# KiCad board srvant.kicad_pcb (continued)
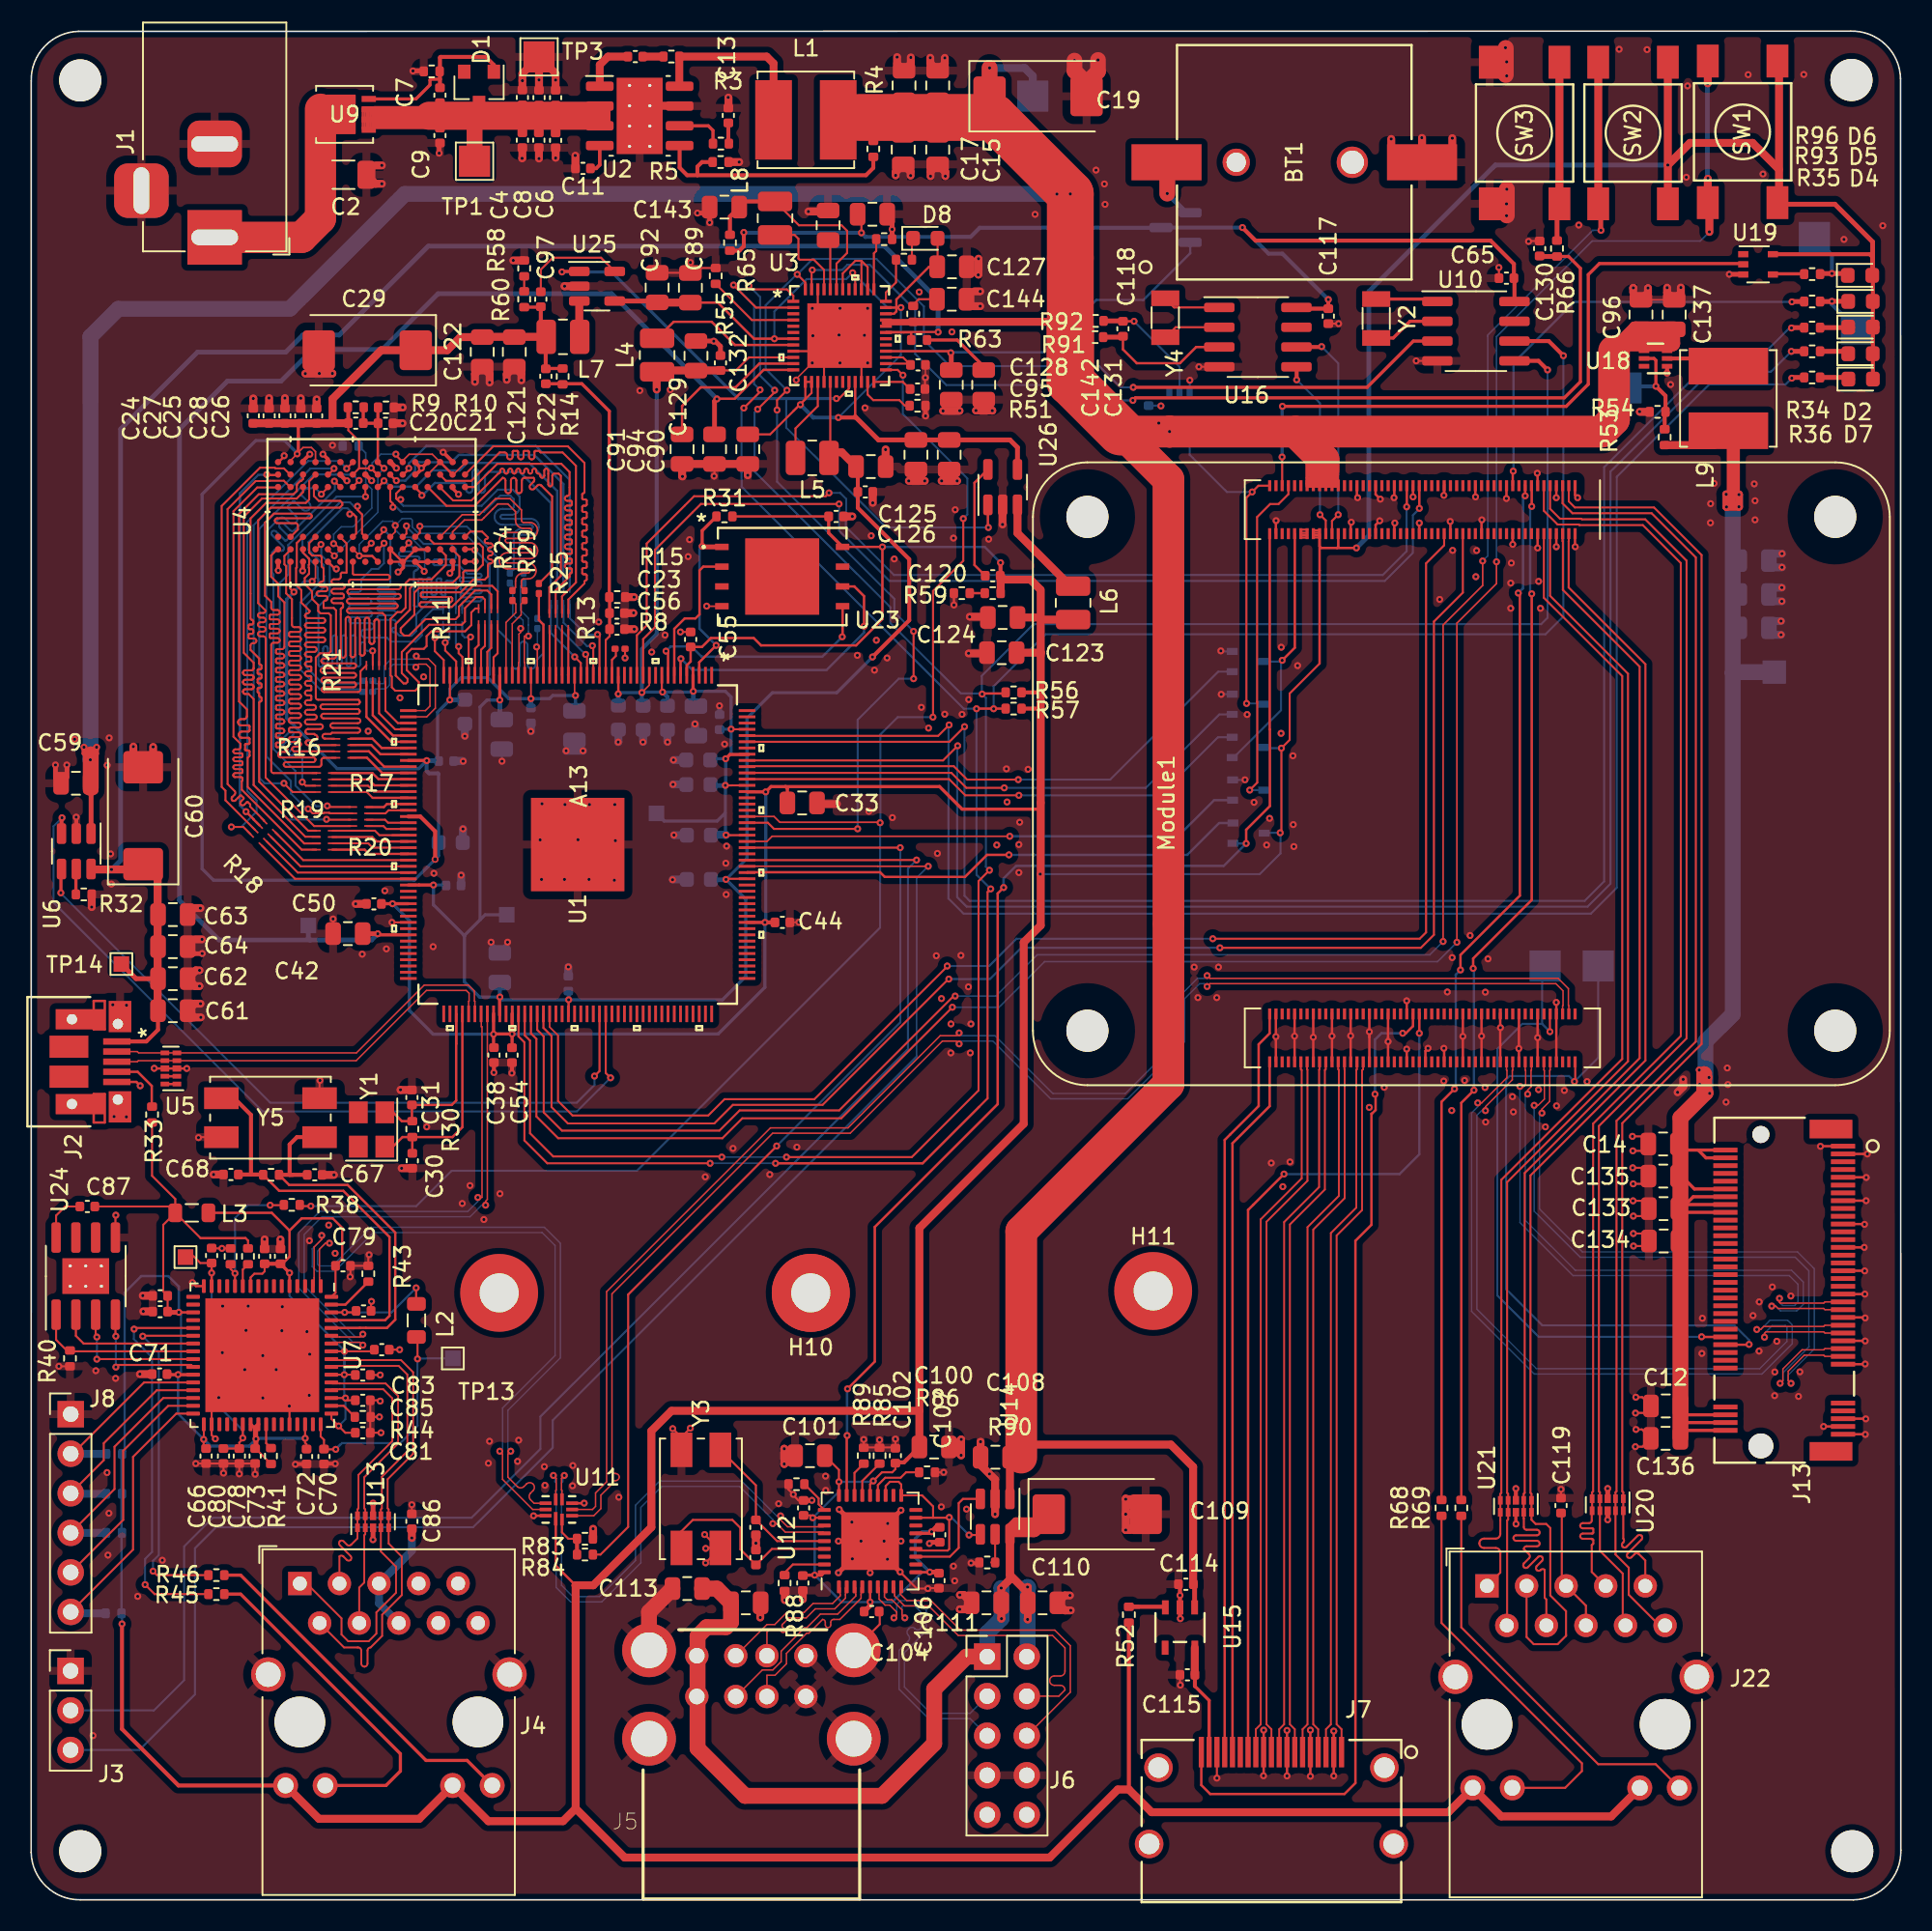
[diagram p0: board, top side]
## Placement (name value [footprint] x y rotation side) (continued)
U15  -  [BD2221G-LBTR]  73.74 17.49 270 top
U16  PCF85063AT/AAZ  [SOIC-8_3.9x4.9mm_P1.27mm]  78.74 100.36 0 top
U17  74LVC1G07SE-7  [SOT-353_SC-70-5]  73.71 95.78 270 bottom
U18  -  [TLV62585DRLR]  104.27 98.98 180 top
U19  74LVC1G07SE-7  [SOT-353_SC-70-5]  110.85 105.03 0 top
U20  TPD4EUSB30  [USON-10_2.5x1.0mm_P0.5mm]  101.19 25.37 270 top
U21  TPD4EUSB30  [USON-10_2.5x1.0mm_P0.5mm]  95.3 25.27 270 top
U23  S25FL256SAGNFI010  [ul_spi_flash_S25FL256SAGNFI010]  48.21 84.98 0 top
U24  93LCxxA  [SOIC-8-1EP_3.9x4.9mm_P1.27mm_EP2.29x3mm_ThermalVias]  3.51 40.06 90 top
U25  SY8008A  [TSOT-23-5]  36.32 103.62 0 top
U26  SY8008A  [TSOT-23-5]  62.36 90.72 90 top
Y1  24Mhz  [Crystal_SMD_3225-4Pin_3.2x2.5mm]  21.85 49.47 90 top
Y2  X32K768S301  [Crystal_SMD_3215-2Pin_3.2x1.5mm]  86.33 101.55 270 top
Y3  24MHz  [LFXTAL-25MHz]  42.99 25.75 90 top
Y4  X32K768S301  [Crystal_SMD_3215-2Pin_3.2x1.5mm]  72.8 101.6 270 top
Y5  25Mhz  [LFXTAL-25MHz]  15.36 50.23 180 top

## Library data of the parts
BT1 = -: Field9: *; Field10: Copyright 2016 Accelerated Designs. All rights reserved.; Field11: *
C1 C3-C6 C8 C9 C96 C137 = -: Field4: Digikey; Field5: 490-10505-1-ND; Field6: GRM21BC8YA106KE11L; Field7: Murata; Part Description: 10uF 10% or 20% 35V Ceramic Capacitor X6S 0805 (2012 Metric)
C2 = -: Field4: Farnell; Field5: 2611907; Field6: GRM155R62A104KE14D; Field7: Murata; Part Description: 0.1uF 10% 100V Ceramic Capacitor X5R 0402 (1005 Metric)
C7 C10 C11 C14 C58 C65 C86 C102-C107 C114-C119 C134 C136 = -: Field4: Farnell; Field5: 2611911; Field6: RM EMK105 B7104KV-F; Field7: TAIYO YUDEN EUROPE GMBH; Field8: 110091611; Part Description: 0.1uF 10% 16V Ceramic Capacitor X7R 0402 (1005 Metric)
C12 C15-C18 C59 C61-C64 C100 C101 C108 C110-C113 C133 C135 C138-C140 = -: Field4: Digikey; Field5: 490-14381-1-ND; Field6: GRM21BR71A106KA73L; Field7: Murata; Field8: 111893011; Part Description: 10uF 10% 10V Ceramic Capacitor X7R 0805 (2012 Metric)
C13 = -: Field4: Digikey; Field5: 490-16429-1-ND; Field6: GCM155R71H122KA37D; Field7: Murata; Part Description: 1200pF 10% 10V Ceramic Capacitor X5R 0402 (1005 Metric)
C19 C29 C60 C109 = -: Field4: Mouser; Field5: ECASD40J107M015K00; Part Description: Capacitor, SP-Cap, 100u, 6.3V, 15mR ESR
C98 C99 = -: Field4: Digikey; Field5: 490-17672-1-ND; Field6: GJM1555C1H270JB01D; Field7: Murata; Field8: UCAP00738; Part Description: 27pF 5% 50V Ceramic Capacitor C0G, NP0 0402 (1005 Metric)
D1 = -: Field4: Digikey; Field5: MMBZ5242BLT3GOSCT-ND; Field7: Onsemi; Part Description: Zener Diode 12V 225mW 5% Surface Mount SOT-23-3 (TO-236)
D2 D4 D5 D7 = -: Field4: Digikey; Field5: LTST-S270KGKT; Field6: SML-A12M8TT86N; Field7: Rohm; Field8: 650263301; Part Description: Green 572nm LED Indication - Discrete 2.2V 2-SMD, No Lead
D3 = -: Field4: Farnell; Field5: 2306010; Field7: Rohm; Part Description: Diode Array 1 Pair Common Cathode Schottky 30V 200mA (DC) Surface Mount TO-236-3, SC-59, SOT-23-3
D6 = -: Field4: Digikey; Field5: LTST-S270KRKT; Field6: SML-A12U8TT86Q; Field7: Rohm; Field8: 650295101; Part Description: Red 620nm LED Indication - Discrete 2.2V 2-SMD, No Lead
H1-H4 H9-H11 = -: Field4: nf; Field5: nf; Field6: nf; Field7: nf; Part Description: M2.5 mounting hole
J1 = -: Field4: Toby; Field5: DC-001-A-2.1mm-R; Field6: DC-001-A-2.1mm-R; Field7: Valcon; Part Description: DC Power Connectors PCB 2.1MM
J2 = -: Field4: Digikey; Field5: 609-4050-2-ND; Field6: 690-005-298-486; Field7: EDAC; Field8: UCON00686; Part Description: USB - micro B USB 2.0 Receptacle Connector 5 Position Surface Mount, Right Angle; Through Hole; Field10: Copyright 2016 Accelerated Designs. All rights reserved.
J5 = -: Field4: Farnell; Field5: 2751688; Field7: EDAC; Field8: UCON00727; Part Description: USB-A (USB TYPE-A), Stacked Receptacle Connector 8 Position Through Hole, Right Angle
J6 = -: Field4: Toby; Field5: THD-05-R; Field6: THD-05-R; Field7: Toby; Part Description: PinHeader_2x05_P2.54mm_Vertical
J7 = -: Field4: Farnell; Field5: 2614936; Field7: EDAC; Field8: UCON00802; Part Description: HDMI Connector, Right Angle, 19 Contacts, Receptacle, Surface Mount, Surface Mount Right Angle; Field10: *; Field11: Copyright 2016 Accelerated Designs. All rights reserved.; Field12: *
J13 = -: RS: https://uk.rs-online.com/web/p/edge-connectors/2175447/; Field5: *; Field6: Copyright 2016 Accelerated Designs. All rights reserved.; Field7: *
L1 L9 = -: Field4: Farnell; Field5: 2616889; Field7: Bourns; Part Description: 3.3µH Semi-Shielded Wirewound Inductor 7.8A 21mOhm Nonstandard
Module1 = -: Field4: Hirose; Field5: 2off DF40C-100DS-0.4V; Field6: 2off DF40C-100DS-0.4V; Field7: Hirose; Part Description: 100 Position Connector Receptacle, Center Strip Contacts Surface Mount Gold
R1 R4 R88 = -: Field4: Farnell; Field5: 9239367; Field6: MCR01MZPF1202; Field7: Rohm; Part Description: Resistor 12K M1005 1% 63mW
R2 = -: Field4: Farnell; Field5: 9238999; Field6: RC0402FR-0710RL; Field7: Yageo; Field8: URES00256; Part Description: Resistor 10R M1005 1% 63mW
R3 = -: Field4: Farnell; Field5: 2331485; Field6: RK73H1ETTP2002F; Field7: KOA EUROPE GMBH; Part Description: Resistor 20K M1005 1% 63mW
R5 R83 R84 = -: Field4: Farnell; Field5: 9239278; Field6: RK73G1ETQTP2201D; Field7: KOA EUROPE GMBH; Field8: 120889581; Part Description: Resistor 2.2K M1005 1% 63mW
R7 R11-R13 R16-R21 = -: Field4: *; Field5: Copyright 2016 Accelerated Designs. All rights reserved.
R31 R33-R36 R93 R96 = -: Field4: Farnell; Field5: 9239235; Field6: RK73H1ETTP1001F; Field7: KOA EUROPE GMBH; Field8: 125049511; Part Description: Resistor 1K M1005 1% 63mW
R32 R90 = -: Field4: Farnell; Field5: 9239375; Field6: MCR01MZPF1502; Field7: Rohm; Field8: 120891581; Part Description: Resistor 15K M1005 1% 63mW
R45 R46 R68 R69 = -: Field4: Farnell; Field5: 9239197; Field6: RK73G1ETQTP4700D; Field7: KOA EUROPE GMBH; Field8: 120887981; Part Description: Resistor 470R M1005 1% 63mW
R52 = -: Field4: Farnell; Field5: 1458807; Field6: MCR01MZPF5103; Field7: Rohm; Part Description: Resistor 100K M1005 1% 63mW
R53 = -: Field4: Farnell; Field5: 9239375; Field6: MCR01MZPF1502; Field7: Rohm; Field8: 120891581; Part Description: Resistor 100K M1005 1% 63mW
R54 = -: Field4: Farnell; Field5: 9239430; Field6: RK73G1ETQTP4702D; Field7: KOA EUROPE GMBH; Field8: 120892781; Part Description: Resistor 22K M1005 1% 63mW
R85-R87 R89 = -: Field4: Farnell; Field5: 1458788; Field6: MCR01MZPF3602; Field7: Rohm; Part Description: Resistor 36K M1005 1% 63mW
R91 R92 = -: Field4: Farnell; Field5: 1458807; Field6: MCR01MZPF5103; Field7: Rohm; Part Description: Resistor 510K M1005 1% 63mW
SW1 = -: Field4: *; Field5: *; Field6: 0.06in/1.524mm; Field7: 0.03in/0.762mm; Field8: 0.362in/9.195mm; Field9: 0.177in/4.496mm; Field10: Copyright 2016 Accelerated Designs. All rights reserved.; Field11: *; Field12: *
SW2 = -: Field4: *; Field5: *; Field6: 0.03in/0.762mm; Field7: 0.177in/4.496mm; Field8: 0.06in/1.524mm; Field9: 0.362in/9.195mm; Field10: Copyright 2016 Accelerated Designs. All rights reserved.; Field11: *; Field12: *
SW3 = -: Field4: *; Field5: *; Field6: 0.06in/1.524mm; Field7: 0.177in/4.496mm; Field8: 0.362in/9.195mm; Field9: 0.03in/0.762mm; Field10: Copyright 2016 Accelerated Designs. All rights reserved.; Field11: *; Field12: *
TP1-TP3 TP5-TP10 = -: Field4: nf; Field5: nf; Field6: nf; Field7: nf
U1 = -: Field4: *; Field5: 0.007in/0.178mm; Field6: 0.016in/0.4mm; Field7: 0.856in/21.742mm; Field8: 0.856in/21.742mm; Field9: 0.042in/1.067mm; Field10: 0.236in/5.994mm; Field11: 0.236in/5.994mm; Field12: Copyright 2016 Accelerated Designs. All rights reserved.; Field13: *; Field14: *
U2 = -: Field4: Digikey; Field5: 31-AP64501SP-13CT-ND; Field7: Diodes; Part Description: Buck Switching Regulator IC Positive Adjustable 0.8V 1 Output 5A 8-SOIC (0.154", 3.90mm Width) Exposed Pad
U3 = -: Field4: *; Field5: 0.008in/0.203mm; Field6: 0.163in/4.14mm; Field7: 0.163in/4.14mm; Field8: 0.016in/0.4mm; Field9: 0.234in/5.944mm; Field10: 0.03in/0.762mm; Field11: 0.234in/5.944mm; Field12: Copyright 2016 Accelerated Designs. All rights reserved.; Field13: *; Field14: *
U4 = -: Field4: A; Field5: T; Field6: 1; Field7: 9; Field8: 9; Field9: T; Field10: 1; Field11: *; Field12: A; Field13: 0.15in/3.81mm; Field14: 0.031in/0.8mm; Field15: 0.2in/5.08mm; Field16: 0.016in/0.406mm; Field17: Copyright 2016 Accelerated Designs. All rights reserved.; Field18: A; Field19: *; Field20: T; Field21: 9; Field22: 1
U5 U13 U20 U21 = -: Field4: Farnell; Field5: 2335455; Field6: CDDFN10-3324P-13; Field7: Bourns; Field8: UDIO00346; Part Description: Quad TVS diode for high speed signals (USB3, GigE etc.)
U6 U14 = -: Field4: Digikey; Field5: 31-AP22653W6-7CT-ND; Field7: Diodes; Part Description: Power Switch/Driver 1:1 P-Channel 2.1A SOT-23-6
U9 = -: Field4: *; Field5: 0.036in/0.914mm; Field6: 0.015in/0.381mm; Field7: 0.071in/1.803mm; Field8: 0.096in/2.438mm; Field9: 0.026in/0.66mm; Field10: 0.122in/3.099mm; Field11: Copyright 2021 Accelerated Designs. All rights reserved.; Field12: *
U10 U16 = -: Field4: Farnell; Field5: 2890042; Field7: NXP; Part Description: Real Time Clock (RTC) IC Clock/Calendar I²C, 2-Wire Serial 8-SOIC (0.154", 3.90mm Width)
U11 = -: Field4: Farnell; Field5: 2564479; Field7: Onsemi; Part Description: USB Switch IC 1 Channel 10-MSOP; Field9: *; Field10: *; Field11: 0.016in/0.4mm; Field12: 0.03in/0.762mm; Field13: 0.067in/1.702mm; Field14: 0.051in/1.295mm; Field15: 0.009in/0.229mm; Field16: Copyright 2016 Accelerated Designs. All rights reserved.; Field17: *; Field18: *
U12 = -: Field4: Farnell; Field5: 2775060; Field7: Microchip; Field8: UICC00931; Part Description: USB Hub Controller USB Interface 36-SQFN (6x6)
U15 = -: Field4: *; Field5: *; Field6: 0.102in/2.591mm; Field7: 0in/0mm; Field8: 0.017in/0.432mm; Field9: 0.036in/0.903mm; Field10: Copyright 2016 Accelerated Designs. All rights reserved.; Field11: *; Field12: *
U17 U19 = -: Field4: Farnell; Field5: 2425492; Field7: Diodes; Part Description: Buffer, Non-Inverting 1 Element 1 Bit per Element Open Drain Output SOT-353
U18 = -: Field4: Copyright 2016 Accelerated Designs. All rights reserved.
U23 = -: digikey: https://www.digikey.co.uk/product-detail/en/S25FL256SAGNFI010/428-3987-ND/4833769; mouser: https://www.mouser.co.uk/ProductDetail/Cypress-Spansion/S25FL256SAGNFI010?qs=vPP9GyyTAo3jUUHDsYsFIg%3D%3D; rs: https://uk.rs-online.com/web/p/flash-memory/1938774/; Field7: 0.05in/1.27mm; Field8: 0.187in/4.75mm; Field9: 0.016in/0.406mm; Field10: 0.193in/4.902mm; Field11: 0.034in/0.864mm; Field12: 0.305in/7.747mm; Field13: Copyright 2016 Accelerated Designs. All rights reserved.
Y1 = -: Field4: farnell; Field5: LFXTAL035266; Field6: Crystal, 24 MHz, SMD, 3.2mm x 2.5mm, 50 ppm, 16 pF, 50 ppm, CFPX-180 Series
Y2 Y4 = -: Field7: AEL; Part Description: Crystal 32.768KHz 7pF 20pmm
Y3 = -: Field4: *; Field5: *; Field6: 0.01in/0.254mm; Field7: -0.03in/-0.762mm; Field8: 0.05in/1.27mm; Field9: -0.03in/-0.762mm; Field10: 0.03in/0.762mm; Field11: Copyright 2021 Accelerated Designs. All rights reserved.; Field12: *
Y5 = -: Field4: *; Field5: *; Field6: -0.03in/-0.762mm; Field7: 0.05in/1.27mm; Field8: 0.01in/0.254mm; Field9: 0.03in/0.762mm; Field10: -0.03in/-0.762mm; Field11: Copyright 2021 Accelerated Designs. All rights reserved.; Field12: *; Field13: *

## Footprints (pads in the part's own frame, mm; a bottom-side part is the same pattern mirrored in y, then rotated)
1-2199230-5
  round 1.092 hole 1.092 unplated: (-19.25,2.275)
  round 1.6 hole 1.6 unplated: (0.75,2.275)
  rect 0.305x1.549 smd: 1(-18.5,7.55) 2(-18.25,0) 3(-18,7.55) 4(-17.75,0) 5(-17.5,7.55) 6(-17.25,0) 7(-17,7.55) 8(-16.75,0) 9(-16.5,7.55) 10(-16.25,0) 11(-16,7.55) 12(-15.75,0) 13(-15.5,7.55) 14(-15.25,0) 15(-15,7.55) 16(-14.75,0) 17(-14.5,7.55) 18(-14.25,0) 19(-14,7.55) 20(-13.75,0) 21(-13.5,7.55) 22(-13.25,0) 23(-13,7.55) 24(-12.75,0) 25(-12.5,7.55) 26(-12.25,0) 27(-12,7.55) 28(-11.75,0) 29(-11.5,7.55) 30(-11.25,0) 31(-11,7.55) 32(-10.75,0) 33(-10.5,7.55) 34(-10.25,0) 35(-10,7.55) 36(-9.75,0) 37(-9.5,7.55) 38(-9.25,0) 39(-9,7.55) 40(-8.75,0) 41(-8.5,7.55) 42(-8.25,0) 43(-8,7.55) 44(-7.75,0) 45(-7.5,7.55) 46(-7.25,0) 47(-7,7.55) 48(-6.75,0) 49(-6.5,7.55) 50(-6.25,0) 51(-6,7.55) 52(-5.75,0) 53(-5.5,7.55) 54(-5.25,0) 55(-5,7.55) 56(-4.75,0) 57(-4.5,7.55) 58(-4.25,0) 67(-2,7.55) 68(-1.75,0) 69(-1.5,7.55) 70(-1.25,0) 71(-1,7.55) 72(-0.75,0) 73(-0.5,7.55) 74(-0.25,0) 75(0,7.55)
  rect 1.194x2.743 smd: 76(-19.6,6.775) 77(1.1,6.775)
10029449-001RLF
  rect 0.33x1.956 smd: 1(4.5,4.43) 2(4,4.43) 3(3.5,4.43) 4(3,4.43) 5(2.5,4.43) 6(2,4.43) 7(1.5,4.43) 8(1,4.43) 9(0.5,4.43) 10(0,4.43) 11(-0.5,4.43) 12(-1,4.43) 13(-1.5,4.43) 14(-2,4.43) 15(-2.5,4.43) 16(-3,4.43) 17(-3.5,4.43) 18(-4,4.43) 19(-4.5,4.43)
  round 1.829 hole 1.321: 20(-7.25,3.43) 21(7.25,3.43) 22(-7.85,-1.47) 23(7.85,-1.47)
10103594-0001LF
  oval 0.729x1.219 hole 0.66 unplated: (-2.725,-0.076) (2.718,-0.076)
  oval 0.686x1.092 hole 0.66 unplated: (-2.425,2.872) (2.425,2.872)
  rect 0.406x1.753 smd: 1(-1.3,2.807) 2(-0.65,2.807) 3(0,2.807) 4(0.65,2.807) 5(1.3,2.807)
  rect 2.007x1.448 smd: 6(-2.9,3.012) 7(2.9,3.012)
  rect 1.422x2.489 smd: 8(-0.963,-0.268) 9(0.963,-0.268)
  rect 1.295x3.15 smd: 10(-2.725,0.457) 12(2.725,0.457)
A13
  rect 1.067x0.178 smd: 1(-10.871,8.6) 2(-10.871,8.2) 3(-10.871,7.8) 4(-10.871,7.4) 5(-10.871,7) 6(-10.871,6.6) 7(-10.871,6.2) 8(-10.871,5.8) 9(-10.871,5.4) 10(-10.871,5) 11(-10.871,4.6) 12(-10.871,4.2) 13(-10.871,3.8) 14(-10.871,3.4) 15(-10.871,3) 16(-10.871,2.6) 17(-10.871,2.2) 18(-10.871,1.8) 19(-10.871,1.4) 20(-10.871,1) 21(-10.871,0.6) 22(-10.871,0.2) 23(-10.871,-0.2) 24(-10.871,-0.6) 25(-10.871,-1) 26(-10.871,-1.4) 27(-10.871,-1.8) 28(-10.871,-2.2) 29(-10.871,-2.6) 30(-10.871,-3) 31(-10.871,-3.4) 32(-10.871,-3.8) 33(-10.871,-4.2) 34(-10.871,-4.6) 35(-10.871,-5) 36(-10.871,-5.4) 37(-10.871,-5.8) 38(-10.871,-6.2) 39(-10.871,-6.6) 40(-10.871,-7) 41(-10.871,-7.4) 42(-10.871,-7.8) 43(-10.871,-8.2) 44(-10.871,-8.6) 89(10.871,-8.6) 90(10.871,-8.2) 91(10.871,-7.8) 92(10.871,-7.4) 93(10.871,-7) 94(10.871,-6.6) 95(10.871,-6.2) 96(10.871,-5.8) 97(10.871,-5.4) 98(10.871,-5) 99(10.871,-4.6) 100(10.871,-4.2) 101(10.871,-3.8) 102(10.871,-3.4) 103(10.871,-3) 104(10.871,-2.6) 105(10.871,-2.2) 106(10.871,-1.8) 107(10.871,-1.4) 108(10.871,-1) 109(10.871,-0.6) 110(10.871,-0.2) 111(10.871,0.2) 112(10.871,0.6) 113(10.871,1) 114(10.871,1.4) 115(10.871,1.8) 116(10.871,2.2) 117(10.871,2.6) 118(10.871,3) 119(10.871,3.4) 120(10.871,3.8) 121(10.871,4.2) 122(10.871,4.6) 123(10.871,5) 124(10.871,5.4) 125(10.871,5.8) 126(10.871,6.2) 127(10.871,6.6) 128(10.871,7) 129(10.871,7.4) 130(10.871,7.8) 131(10.871,8.2) 132(10.871,8.6)
  rect 0.178x1.067 smd: 45(-8.6,-10.871) 46(-8.2,-10.871) 47(-7.8,-10.871) 48(-7.4,-10.871) 49(-7,-10.871) 50(-6.6,-10.871) 51(-6.2,-10.871) 52(-5.8,-10.871) 53(-5.4,-10.871) 54(-5,-10.871) 55(-4.6,-10.871) 56(-4.2,-10.871) 57(-3.8,-10.871) 58(-3.4,-10.871) 59(-3,-10.871) 60(-2.6,-10.871) 61(-2.2,-10.871) 62(-1.8,-10.871) 63(-1.4,-10.871) 64(-1,-10.871) 65(-0.6,-10.871) 66(-0.2,-10.871) 67(0.2,-10.871) 68(0.6,-10.871) 69(1,-10.871) 70(1.4,-10.871) 71(1.8,-10.871) 72(2.2,-10.871) 73(2.6,-10.871) 74(3,-10.871) 75(3.4,-10.871) 76(3.8,-10.871) 77(4.2,-10.871) 78(4.6,-10.871) 79(5,-10.871) 80(5.4,-10.871) 81(5.8,-10.871) 82(6.2,-10.871) 83(6.6,-10.871) 84(7,-10.871) 85(7.4,-10.871) 86(7.8,-10.871) 87(8.2,-10.871) 88(8.6,-10.871) 133(8.6,10.871) 134(8.2,10.871) 135(7.8,10.871) 136(7.4,10.871) 137(7,10.871) 138(6.6,10.871) 139(6.2,10.871) 140(5.8,10.871) 141(5.4,10.871) 142(5,10.871) 143(4.6,10.871) 144(4.2,10.871) 145(3.8,10.871) 146(3.4,10.871) 147(3,10.871) 148(2.6,10.871) 149(2.2,10.871) 150(1.8,10.871) 151(1.4,10.871) 152(1,10.871) 153(0.6,10.871) 154(0.2,10.871) 155(-0.2,10.871) 156(-0.6,10.871) 157(-1,10.871) 158(-1.4,10.871) 159(-1.8,10.871) 160(-2.2,10.871) 161(-2.6,10.871) 162(-3,10.871) 163(-3.4,10.871) 164(-3.8,10.871) 165(-4.2,10.871) 166(-4.6,10.871) 167(-5,10.871) 168(-5.4,10.871) 169(-5.8,10.871) 170(-6.2,10.871) 171(-6.6,10.871) 172(-7,10.871) 173(-7.4,10.871) 174(-7.8,10.871) 175(-8.2,10.871) 176(-8.6,10.871)
  rect 5.994x5.994 smd: 177(0,0)
AXP209
  rect 0.762x0.203 smd: 1(-2.972,2.2) 2(-2.972,1.8) 3(-2.972,1.4) 4(-2.972,1) 5(-2.972,0.6) 6(-2.972,0.2) 7(-2.972,-0.2) 8(-2.972,-0.6) 9(-2.972,-1) 10(-2.972,-1.4) 11(-2.972,-1.8) 12(-2.972,-2.2) 25(2.972,-2.2) 26(2.972,-1.8) 27(2.972,-1.4) 28(2.972,-1) 29(2.972,-0.6) 30(2.972,-0.2) 31(2.972,0.2) 32(2.972,0.6) 33(2.972,1) 34(2.972,1.4) 35(2.972,1.8) 36(2.972,2.2)
  rect 0.203x0.762 smd: 13(-2.2,-2.972) 14(-1.8,-2.972) 15(-1.4,-2.972) 16(-1,-2.972) 17(-0.6,-2.972) 18(-0.2,-2.972) 19(0.2,-2.972) 20(0.6,-2.972) 21(1,-2.972) 22(1.4,-2.972) 23(1.8,-2.972) 24(2.2,-2.972) 37(2.2,2.972) 38(1.8,2.972) 39(1.4,2.972) 40(1,2.972) 41(0.6,2.972) 42(0.2,2.972) 43(-0.2,2.972) 44(-0.6,2.972) 45(-1,2.972) 46(-1.4,2.972) 47(-1.8,2.972) 48(-2.2,2.972)
  rect 4.14x4.14 smd: 49(0,0)
BarrelJack_Horizontal
  rect 3.5x3.5 hole 1x3: 1(0,0)
  rrect 3x3.5 hole 1x3: 2(-6,0)
  rrect 3.5x3.5 hole 3x1: 3(-3,-4.7)
battery-S8411-45R
  rect 2.311x4.496 smd: 1(0,8.2) 2(0,-8.2)
  round 1.753 hole 1.245: 3(0,3.725)
  round 2.007 hole 1.499: 4(0,-3.725)
BD2221G-LBTR
  rect 0.903x0.432 smd: 1(-1.295,0.94) 2(-1.295,0) 3(-1.295,-0.94) 4(1.295,-0.953) 5(1.295,0.953)
bsz086p03ns
  rect 0.914x0.381 smd: 1(-1.549,0.991) 2(-1.549,0.33) 3(-1.549,-0.33) 4(-1.549,-0.991) 5(1.549,-0.991) 6(1.549,-0.33) 7(1.549,0.33) 8(1.549,0.991)
button-1571563-4
  rect 2.108x1.397 smd: 1(-4.547,2.235) 2(4.547,2.235) 3(-4.547,-2.235) 4(4.547,-2.235)
C_0402_1005Metric
  rrect 0.56x0.62 smd: 1(-0.48,0) 2(0.48,0)
C_0603_1608Metric
  rrect 0.9x0.95 smd: 1(-0.775,0) 2(0.775,0)
C_0805_2012Metric
  rrect 1x1.45 smd: 1(-0.95,0) 2(0.95,0)
C_1206_3216Metric
  rrect 1.15x1.8 smd: 1(-1.475,0) 2(1.475,0)
CP_EIA-7343-31_Kemet-D
  rrect 2.075x2.55 smd: 1(-3.112,0) 2(3.112,0)
Crystal_SMD_3215-2Pin_3.2x1.5mm
  rect 1x1.8 smd: 1(1.25,0) 2(-1.25,0)
Crystal_SMD_3225-4Pin_3.2x2.5mm
  rect 1.4x1.2 smd: 1(-1.1,-0.85) 2(1.1,-0.85) 3(1.1,0.85) 4(-1.1,0.85)
D_SOT-23_ANK
  rect 0.9x0.8 smd: (-1,-0.95) 1(1,0) 2(-1,0.95)
FSUSB42UMX
  rect 0.229x0.864 smd: 1(0.2,0.597)
  rect 0.229x0.762 smd: 2(-0.2,0.648) 6(-0.2,-0.648) 7(0.2,-0.648)
  rect 0.762x0.229 smd: 3(-0.851,0.4) 4(-0.851,0) 5(-0.851,-0.4) 8(0.851,-0.4) 9(0.851,0) 10(0.851,0.4)
IS43TR16128C-125KBLI
  round 0.406 smd: A1(-3.2,6) A2(-2.4,6) A3(-1.6,6) A7(1.6,6) A8(2.4,6) A9(3.2,6) B1(-3.2,5.2) B2(-2.4,5.2) B3(-1.6,5.2) B7(1.6,5.2) B8(2.4,5.2) B9(3.2,5.2) C1(-3.2,4.4) C2(-2.4,4.4) C3(-1.6,4.4) C7(1.6,4.4) C8(2.4,4.4) C9(3.2,4.4) D1(-3.2,3.6) D2(-2.4,3.6) D3(-1.6,3.6) D7(1.6,3.6) D8(2.4,3.6) D9(3.2,3.6) E1(-3.2,2.8) E2(-2.4,2.8) E3(-1.6,2.8) E7(1.6,2.8) E8(2.4,2.8) E9(3.2,2.8) F1(-3.2,2) F2(-2.4,2) F3(-1.6,2) F7(1.6,2) F8(2.4,2) F9(3.2,2) G1(-3.2,1.2) G2(-2.4,1.2) G3(-1.6,1.2) G7(1.6,1.2) G8(2.4,1.2) G9(3.2,1.2) H1(-3.2,0.4) H2(-2.4,0.4) H3(-1.6,0.4) H7(1.6,0.4) H8(2.4,0.4) H9(3.2,0.4) J1(-3.2,-0.4) J2(-2.4,-0.4) J3(-1.6,-0.4) J7(1.6,-0.4) J8(2.4,-0.4) J9(3.2,-0.4) K1(-3.2,-1.2) K2(-2.4,-1.2) K3(-1.6,-1.2) K7(1.6,-1.2) K8(2.4,-1.2) K9(3.2,-1.2) L1(-3.2,-2) L2(-2.4,-2) L3(-1.6,-2) L7(1.6,-2) L8(2.4,-2) L9(3.2,-2) M1(-3.2,-2.8) M2(-2.4,-2.8) M3(-1.6,-2.8) M7(1.6,-2.8) M8(2.4,-2.8) M9(3.2,-2.8) N1(-3.2,-3.6) N2(-2.4,-3.6) N3(-1.6,-3.6) N7(1.6,-3.6) N8(2.4,-3.6) N9(3.2,-3.6) P1(-3.2,-4.4) P2(-2.4,-4.4) P3(-1.6,-4.4) P7(1.6,-4.4) P8(2.4,-4.4) P9(3.2,-4.4) R1(-3.2,-5.2) R2(-2.4,-5.2) R3(-1.6,-5.2) R7(1.6,-5.2) R8(2.4,-5.2) R9(3.2,-5.2) T1(-3.2,-6) T2(-2.4,-6) T3(-1.6,-6) T7(1.6,-6) T8(2.4,-6) T9(3.2,-6)
L_0805_2012Metric
  rrect 0.875x1.2 smd: 1(-1.062,0) 2(1.062,0)
L_1008_2520Metric
  rrect 1.25x2.2 smd: 1(-1.075,0) 2(1.075,0)
L_Bourns_SRN6045TA
  rect 2.35x5.1 smd: 1(-2.075,0) 2(2.075,0)
LED_0603_1608Metric
  rrect 0.875x0.95 smd: 1(-0.787,0) 2(0.787,0)
LFXTAL-25MHz
  rect 2.21x1.397 smd: 1(-3.15,1.25) 2(-3.15,-1.25) 3(3.15,-1.25) 4(3.15,1.25)
MOLEX_USB_67298-4090
  round 1.5 hole 1: 1(-3.5,5.33) 2(-1,5.33) 3(1,5.33) 4(3.5,5.33) 5(-3.5,2.71) 6(-1,2.71) 7(1,2.71) 8(3.5,2.71)
  round 3.45 hole 2.3: MT1(-6.57,0) MT2(6.57,0) MT3(-6.57,5.68) MT4(6.57,5.68)
MountingHole_2.5mm_Pad_TopOnly
  round 2.9 hole 2.5: 1(0,0)
  round 5 smd: 1(0,0)
MountingHole_2.5mm_Pad_TopOnly#2
  round 2.9 hole 2.5: 1(0,0)
  round 5 smd: 1(0,0) 1(0,0)
MountingHole_2.7mm_M2.5
  round 2.7 hole 2.7 unplated: (0,0)
PinHeader_1x03_P2.54mm_Vertical
  rect 1.7x1.7 hole 1: 1(0,0)
  oval 1.7x1.7 hole 1: 2(0,-2.54) 3(0,-5.08)
PinHeader_1x06_P2.54mm_Vertical
  rect 1.7x1.7 hole 1: 1(0,0)
  oval 1.7x1.7 hole 1: 2(0,-2.54) 3(0,-5.08) 4(0,-7.62) 5(0,-10.16) 6(0,-12.7)
PinHeader_2x05_P2.54mm_Vertical
  rect 1.7x1.7 hole 1: 1(0,0)
  oval 1.7x1.7 hole 1: 2(2.54,0) 3(0,-2.54) 4(2.54,-2.54) 5(0,-5.08) 6(2.54,-5.08) 7(0,-7.62) 8(2.54,-7.62) 9(0,-10.16) 10(2.54,-10.16)
QFN-36-1EP_6x6mm_P0.5mm_EP3.7x3.7mm
  rrect 0.99x0.99 smd: (-1.23,1.23) (-1.23,0) (-1.23,-1.23) (0,1.23) (0,0) (0,-1.23) (1.23,1.23) (1.23,0) (1.23,-1.23)
  rrect 0.825x0.25 smd: 1(-2.938,2) 2(-2.938,1.5) 3(-2.938,1) 4(-2.938,0.5) 5(-2.938,0) 6(-2.938,-0.5) 7(-2.938,-1) 8(-2.938,-1.5) 9(-2.938,-2) 19(2.938,-2) 20(2.938,-1.5) 21(2.938,-1) 22(2.938,-0.5) 23(2.938,0) 24(2.938,0.5) 25(2.938,1) 26(2.938,1.5) 27(2.938,2)
  rrect 0.25x0.825 smd: 10(-2,-2.938) 11(-1.5,-2.938) 12(-1,-2.938) 13(-0.5,-2.938) 14(0,-2.938) 15(0.5,-2.938) 16(1,-2.938) 17(1.5,-2.938) 18(2,-2.938) 28(2,2.938) 29(1.5,2.938) 30(1,2.938) 31(0.5,2.938) 32(0,2.938) 33(-0.5,2.938) 34(-1,2.938) 35(-1.5,2.938) 36(-2,2.938)
  rect 3.7x3.7 smd: 37(0,0)
QFN-64-1EP_9x9mm_P0.5mm_EP7.3x7.3mm
  rrect 1.18x1.18 smd: (-2.92,2.92) (-2.92,1.46) (-2.92,0) (-2.92,-1.46) (-2.92,-2.92) (-1.46,2.92) (-1.46,1.46) (-1.46,0) (-1.46,-1.46) (-1.46,-2.92) (0,2.92) (0,1.46) (0,0) (0,-1.46) (0,-2.92) (1.46,2.92) (1.46,1.46) (1.46,0) (1.46,-1.46) (1.46,-2.92) (2.92,2.92) (2.92,1.46) (2.92,0) (2.92,-1.46) (2.92,-2.92)
  rrect 0.875x0.25 smd: 1(-4.438,3.75) 2(-4.438,3.25) 3(-4.438,2.75) 4(-4.438,2.25) 5(-4.438,1.75) 6(-4.438,1.25) 7(-4.438,0.75) 8(-4.438,0.25) 9(-4.438,-0.25) 10(-4.438,-0.75) 11(-4.438,-1.25) 12(-4.438,-1.75) 13(-4.438,-2.25) 14(-4.438,-2.75) 15(-4.438,-3.25) 16(-4.438,-3.75) 33(4.438,-3.75) 34(4.438,-3.25) 35(4.438,-2.75) 36(4.438,-2.25) 37(4.438,-1.75) 38(4.438,-1.25) 39(4.438,-0.75) 40(4.438,-0.25) 41(4.438,0.25) 42(4.438,0.75) 43(4.438,1.25) 44(4.438,1.75) 45(4.438,2.25) 46(4.438,2.75) 47(4.438,3.25) 48(4.438,3.75)
  rrect 0.25x0.875 smd: 17(-3.75,-4.438) 18(-3.25,-4.438) 19(-2.75,-4.438) 20(-2.25,-4.438) 21(-1.75,-4.438) 22(-1.25,-4.438) 23(-0.75,-4.438) 24(-0.25,-4.438) 25(0.25,-4.438) 26(0.75,-4.438) 27(1.25,-4.438) 28(1.75,-4.438) 29(2.25,-4.438) 30(2.75,-4.438) 31(3.25,-4.438) 32(3.75,-4.438) 49(3.75,4.438) 50(3.25,4.438) 51(2.75,4.438) 52(2.25,4.438) 53(1.75,4.438) 54(1.25,4.438) 55(0.75,4.438) 56(0.25,4.438) 57(-0.25,4.438) 58(-0.75,4.438) 59(-1.25,4.438) 60(-1.75,4.438) 61(-2.25,4.438) 62(-2.75,4.438) 63(-3.25,4.438) 64(-3.75,4.438)
  rect 7.3x7.3 smd: 65(0,0)
R_0201_0603Metric
  rrect 0.318x0.36 smd: (-0.345,0) (0.345,0)
  rrect 0.46x0.4 smd: 1(-0.32,0) 2(0.32,0)
R_0402_1005Metric
  rrect 0.54x0.64 smd: 1(-0.51,0) 2(0.51,0)
Raspberry-Pi-4-Compute-Module
  round 2.7 hole 2.7 unplated: (0,48) (0,0) (33,48) (33,0)
  rect 0.7x0.2 smd: 1(-2,31.3) 2(1.08,31.3) 3(-2,30.9) 4(1.08,30.9) 5(-2,30.5) 6(1.08,30.5) 7(-2,30.1) 8(1.08,30.1) 9(-2,29.7) 10(1.08,29.7) 11(-2,29.3) 12(1.08,29.3) 13(-2,28.9) 14(1.08,28.9) 15(-2,28.5) 16(1.08,28.5) 17(-2,28.1) 18(1.08,28.1) 19(-2,27.7) 20(1.08,27.7) 21(-2,27.3) 22(1.08,27.3) 23(-2,26.9) 24(1.08,26.9) 25(-2,26.5) 26(1.08,26.5) 27(-2,26.1) 28(1.08,26.1) 29(-2,25.7) 30(1.08,25.7) 31(-2,25.3) 32(1.08,25.3) 33(-2,24.9) 34(1.08,24.9) 35(-2,24.5) 36(1.08,24.5) 37(-2,24.1) 38(1.08,24.1) 39(-2,23.7) 40(1.08,23.7) 41(-2,23.3) 42(1.08,23.3) 43(-2,22.9) 44(1.08,22.9) 45(-2,22.5) 46(1.08,22.5) 47(-2,22.1) 48(1.08,22.1) 49(-2,21.7) 50(1.08,21.7) 51(-2,21.3) 52(1.08,21.3) 53(-2,20.9) 54(1.08,20.9) 55(-2,20.5) 56(1.08,20.5) 57(-2,20.1) 58(1.08,20.1) 59(-2,19.7) 60(1.08,19.7) 61(-2,19.3) 62(1.08,19.3) 63(-2,18.9) 64(1.08,18.9) 65(-2,18.5) 66(1.08,18.5) 67(-2,18.1) 68(1.08,18.1) 69(-2,17.7) 70(1.08,17.7) 71(-2,17.3) 72(1.08,17.3) 73(-2,16.9) 74(1.08,16.9) 75(-2,16.5) 76(1.08,16.5) 77(-2,16.1) 78(1.08,16.1) 79(-2,15.7) 80(1.08,15.7) 81(-2,15.3) 82(1.08,15.3) 83(-2,14.9) 84(1.08,14.9) 85(-2,14.5) 86(1.08,14.5) 87(-2,14.1) 88(1.08,14.1) 89(-2,13.7) 90(1.08,13.7) 91(-2,13.3) 92(1.08,13.3) 93(-2,12.9) 94(1.08,12.9) 95(-2,12.5) 96(1.08,12.5) 97(-2,12.1) 98(1.08,12.1) 99(-2,11.7) 100(1.08,11.7) 101(31.92,31.3) 102(35,31.3) 103(31.92,30.9) 104(35,30.9) 105(31.92,30.5) 106(35,30.5) 107(31.92,30.1) 108(35,30.1) 109(31.92,29.7) 110(35,29.7) 111(31.92,29.3) 112(35,29.3) 113(31.92,28.9) 114(35,28.9) 115(31.92,28.5) 116(35,28.5) 117(31.92,28.1) 118(35,28.1) 119(31.92,27.7) 120(35,27.7) 121(31.92,27.3) 122(35,27.3) 123(31.92,26.9) 124(35,26.9) 125(31.92,26.5) 126(35,26.5) 127(31.92,26.1) 128(35,26.1) 129(31.92,25.7) 130(35,25.7) 131(31.92,25.3) 132(35,25.3) 133(31.92,24.9) 134(35,24.9) 135(31.92,24.5) 136(35,24.5) 137(31.92,24.1) 138(35,24.1) 139(31.92,23.7) 140(35,23.7) 141(31.92,23.3) 142(35,23.3) 143(31.92,22.9) 144(35,22.9) 145(31.92,22.5) 146(35,22.5) 147(31.92,22.1) 148(35,22.1) 149(31.92,21.7) 150(35,21.7) 151(31.92,21.3) 152(35,21.3) 153(31.92,20.9) 154(35,20.9) 155(31.92,20.5) 156(35,20.5) 157(31.92,20.1) 158(35,20.1) 159(31.92,19.7) 160(35,19.7) 161(31.92,19.3) 162(35,19.3) 163(31.92,18.9) 164(35,18.9) 165(31.92,18.5) 166(35,18.5) 167(31.92,18.1) 168(35,18.1) 169(31.92,17.7) 170(35,17.7) 171(31.92,17.3) 172(35,17.3) 173(31.92,16.9) 174(35,16.9) 175(31.92,16.5) 176(35,16.5) 177(31.92,16.1) 178(35,16.1) 179(31.92,15.7) 180(35,15.7) 181(31.92,15.3) 182(35,15.3) 183(31.92,14.9) 184(35,14.9) 185(31.92,14.5) 186(35,14.5) 187(31.92,14.1) 188(35,14.1) 189(31.92,13.7) 190(35,13.7) 191(31.92,13.3) 192(35,13.3) 193(31.92,12.9) 194(35,12.9) 195(31.92,12.5) 196(35,12.5) 197(31.92,12.1) 198(35,12.1) 199(31.92,11.7) 200(35,11.7)
resistor_array-EXB-18V103JX
  rect 0.584x0.102 smd: 1(-0.521,0.61) 2(-0.521,0.203) 3(-0.521,-0.203) 4(-0.521,-0.61) 5(0.521,-0.61) 6(0.521,-0.203) 7(0.521,0.203) 8(0.521,0.61)
RJ45_Wuerth_7499111446_Horizontal
  round 3.25 hole 3.25 unplated: (0,-8.89) (11.43,-8.89)
  rect 1.5x1.5 hole 0.9: 1(0,0)
  round 1.5 hole 0.9: 2(1.27,-2.54) 3(2.54,0) 4(3.81,-2.54) 5(5.08,0) 6(6.35,-2.54) 7(7.62,0) 8(8.89,-2.54) 9(10.16,0) 10(11.43,-2.54)
  round 1.6 hole 1.02: 11(-0.915,-12.97) 12(1.625,-12.97) 13(9.805,-12.97) 14(12.345,-12.97)
  round 2.2 hole 1.6: SH(-2.03,-5.84) SH(13.46,-5.84)
SOIC-8-1EP_3.9x4.9mm_P1.27mm_EP2.29x3mm_ThermalVias
  rrect 0.96x1.25 smd: (-0.57,0.75) (-0.57,-0.75) (0.57,0.75) (0.57,-0.75)
  rrect 1.95x0.6 smd: 1(-2.475,1.905) 2(-2.475,0.635) 3(-2.475,-0.635) 4(-2.475,-1.905) 5(2.475,-1.905) 6(2.475,-0.635) 7(2.475,0.635) 8(2.475,1.905)
  round 0.5 hole 0.2: 9(-0.65,1) 9(-0.65,0) 9(-0.65,-1) 9(0.65,1) 9(0.65,0) 9(0.65,-1)
  rect 1.8x2.5 smd far side: 9(0,0)
  rect 2.29x3 smd: 9(0,0)
SOIC-8-1EP_3.9x4.9mm_P1.27mm_EP2.95x4.9mm_Mask2.71x3.4mm_ThermalVias
  rrect 1.13x1.42 smd: (-0.68,0.85) (-0.68,-0.85) (0.68,0.85) (0.68,-0.85)
  rect 2.71x3.4 smd: (0,0)
  rrect 1.775x0.6 smd: 1(-2.562,1.905) 2(-2.562,0.635) 3(-2.562,-0.635) 4(-2.562,-1.905) 5(2.562,-1.905) 6(2.562,-0.635) 7(2.562,0.635) 8(2.562,1.905)
  round 0.5 hole 0.2: 9(-0.65,1.95) 9(-0.65,0.65) 9(-0.65,-0.65) 9(-0.65,-1.95) 9(0.65,1.95) 9(0.65,0.65) 9(0.65,-0.65) 9(0.65,-1.95)
  rect 1.8x4.4 smd far side: 9(0,0)
  rect 2.95x4.9 smd: 9(0,0)
SOIC-8_3.9x4.9mm_P1.27mm
  rrect 1.95x0.6 smd: 1(-2.475,1.905) 2(-2.475,0.635) 3(-2.475,-0.635) 4(-2.475,-1.905) 5(2.475,-1.905) 6(2.475,-0.635) 7(2.475,0.635) 8(2.475,1.905)
SOT-23
  rrect 1.475x0.6 smd: 1(-0.938,0.95) 2(-0.938,-0.95) 3(0.938,0)
SOT-23-6
  rrect 1.325x0.6 smd: 1(-1.137,0.95) 2(-1.137,0) 3(-1.137,-0.95) 4(1.137,-0.95) 5(1.137,0) 6(1.137,0.95)
SOT-323_SC-70
  rect 0.7x0.45 smd: 1(-1,0.65) 2(-1,-0.65) 3(1,0)
SOT-353_SC-70-5
  rect 0.65x0.4 smd: 1(-0.95,0.65) 2(-0.95,0) 3(-0.95,-0.65) 4(0.95,-0.65) 5(0.95,0.65)
TestPoint_Pad_1.0x1.0mm
  rect 1x1 smd: 1(0,0)
TestPoint_Pad_1.0x1.0mm#2
  rect 1x1 smd far side: 1(0,0)
TestPoint_Pad_1.5x1.5mm
  rect 1.5x1.5 smd: 1(0,0)
TestPoint_Pad_2.0x2.0mm
  rect 2x2 smd: 1(0,0)
TLV62585DRLR
  rect 0.67x0.3 smd: 1(-0.74,0.5) 2(-0.74,0) 3(-0.74,-0.5) 4(0.74,-0.5) 5(0.74,0) 6(0.74,0.5)
TSOT-23-5
  rrect 1.325x0.6 smd: 1(-1.137,0.95) 2(-1.137,0) 3(-1.137,-0.95) 4(1.137,-0.95) 5(1.137,0.95)
ul_spi_flash_S25FL256SAGNFI010
  rect 0.864x0.406 smd: 1(-3.873,1.905) 2(-3.873,0.635) 3(-3.873,-0.635) 4(-3.873,-1.905) 5(3.873,-1.905) 6(3.873,-0.635) 7(3.873,0.635) 8(3.873,1.905)
  rect 4.75x4.902 smd: 9(0,0)
USON-10_2.5x1.0mm_P0.5mm
  rect 0.55x0.3 smd: 1(-0.385,1) 2(-0.385,0.5) 4(-0.385,-0.5) 5(-0.385,-1) 6(0.385,-1) 7(0.385,-0.5) 9(0.385,0.5) 10(0.385,1)
  rect 0.55x0.4 smd: 3(-0.385,0) 8(0.385,0)

## Nets
/+1.2v_CPU: C35.2 C39.2 C45.2 C46.2 C47.2 C48.2 C49.2 C53.2 C129.1 C132.2 L4.1 TP15.1 U1.4 U1.9 U1.11 U1.16 U1.156 U1.164 U1.169 U1.173 U3.10
/+1.2v_INT: C34.2 C36.2 C37.2 C41.2 C51.2 C125.2 C126.1 L5.1 TP16.1 U1.35 U1.73 U1.98 U1.109 U1.149 U3.17
/+1.5v: C20.1 C22.1 C24.1 C25.1 C26.1 C27.1 C28.1 C29.1 C32.2 C40.2 C43.2 C52.2 C57.2 C97.2 C121.1 C122.1 L7.2 R9.1 R14.1 R60.2 U1.23 U1.30 U1.43 U1.53 U1.62 U4.A1 U4.A8 U4.B2 U4.C1 U4.C9 U4.D2 U4.D9 U4.E9 U4.F1 U4.G7 U4.H2 U4.H9 U4.K2 U4.K8 U4.N1 U4.N9 U4.R1 U4.R9
/+3.0v: C42.1 C94.1 TP17.1 U1.81 U3.12
/+3.3v: C33.2 C38.2 C44.2 C50.2 C54.2 C55.2 C58.2 C66.1 C69.2 C71.2 C72.2 C73.2 C75.2 C87.2 C100.1 C101.1 C102.1 C103.1 C104.1 C105.1 C106.1 C107.1 C120.2 C123.1 C124.1 D2.2 D4.2 D5.2 D6.2 D7.2 J4.11 J4.13 J22.11 J22.13 L3.1 L6.2 Module1.78 Module1.84 Module1.86 Q3.3 Q4.3 R31.2 R33.1 R41.1 R42.1 R47.2 R48.2 R49.2 R50.2 R52.1 R56.1 R57.2 R61.2 SW1.3 SW1.4 SW2.3 SW2.4 U1.5 U1.76 U1.97 U1.100 U1.142 U1.163 U7.19 U7.27 U7.33 U7.39 U7.40 U7.46 U11.1 U12.5 U12.10 U12.15 U12.23 U12.27 U12.29 U12.36 U19.5 U23.8
/+5v: C15.1 C16.1 C17.1 C18.1 C19.1 C59.1 C96.1 C108.1 C114.1 C116.1 C137.1 L1.2 Module1.77 Module1.79 Module1.81 Module1.83 Module1.85 Module1.87 R4.1 R67.1 R91.2 R92.2 TP2.1 U3.32 U3.33 U6.1 U14.1 U15.1 U17.5 U18.3 U18.4
/+5V_OTG: C60.1 C61.1 C62.1 C63.1 C64.1 J2.1 R63.1 TP14.1 U3.31 U6.6
/a13 usb/ethernet/VDD18CORE: C78.1 C80.1 C82.1 TP12.1 U7.15 U7.38
/a13 usb/ethernet/VDD18ETHPLL: C70.1 L2.1 TP13.1 U7.48
/a13 usb/ethernet/VDD18USBPLL: C74.1 L2.2 U7.62
/a13 usb/ethernet/VDD33A: C76.1 C77.1 C79.1 C81.1 C83.1 C84.1 C85.1 L3.2 U7.5 U7.10 U7.49 U7.51 U7.54 U7.57 U7.64
/BMC PMU/VDD_RTC: C142.2 D3.2 U3.28
/BMC PMU/VINT: C128.1 U3.26 U3.27
/cm4/CM4_GPIO ( Ethernet, GPIO, SDCARD)/+1.8v: Module1.88 Module1.90
/cm4/PCIe-connector/3V3P_FB: R53.2 R54.1 TP8.1 U18.5
/cm4/PCIe-connector/+3V3 PCIe: C12.1 C14.1 C133.1 C134.1 C135.1 C136.1 C138.1 C139.1 C140.1 J13.2 J13.4 J13.12 J13.14 J13.16 J13.18 J13.70 J13.72 J13.74 L9.2 R53.1 TP7.1
/cm4/USB2-HUB/VBUS: C109.1 C110.1 C111.1 C112.1 C113.1 J5.1 J5.5 J6.1 J6.2 U14.6
/external power/+12v: C1.1 C3.1 C4.1 C5.1 C6.1 C7.2 C8.1 C9.1 D1.1 TP1.1 U2.2 U2.3 U9.1 U9.2 U9.3
